# KiCad board srvant.kicad_pcb (continued)
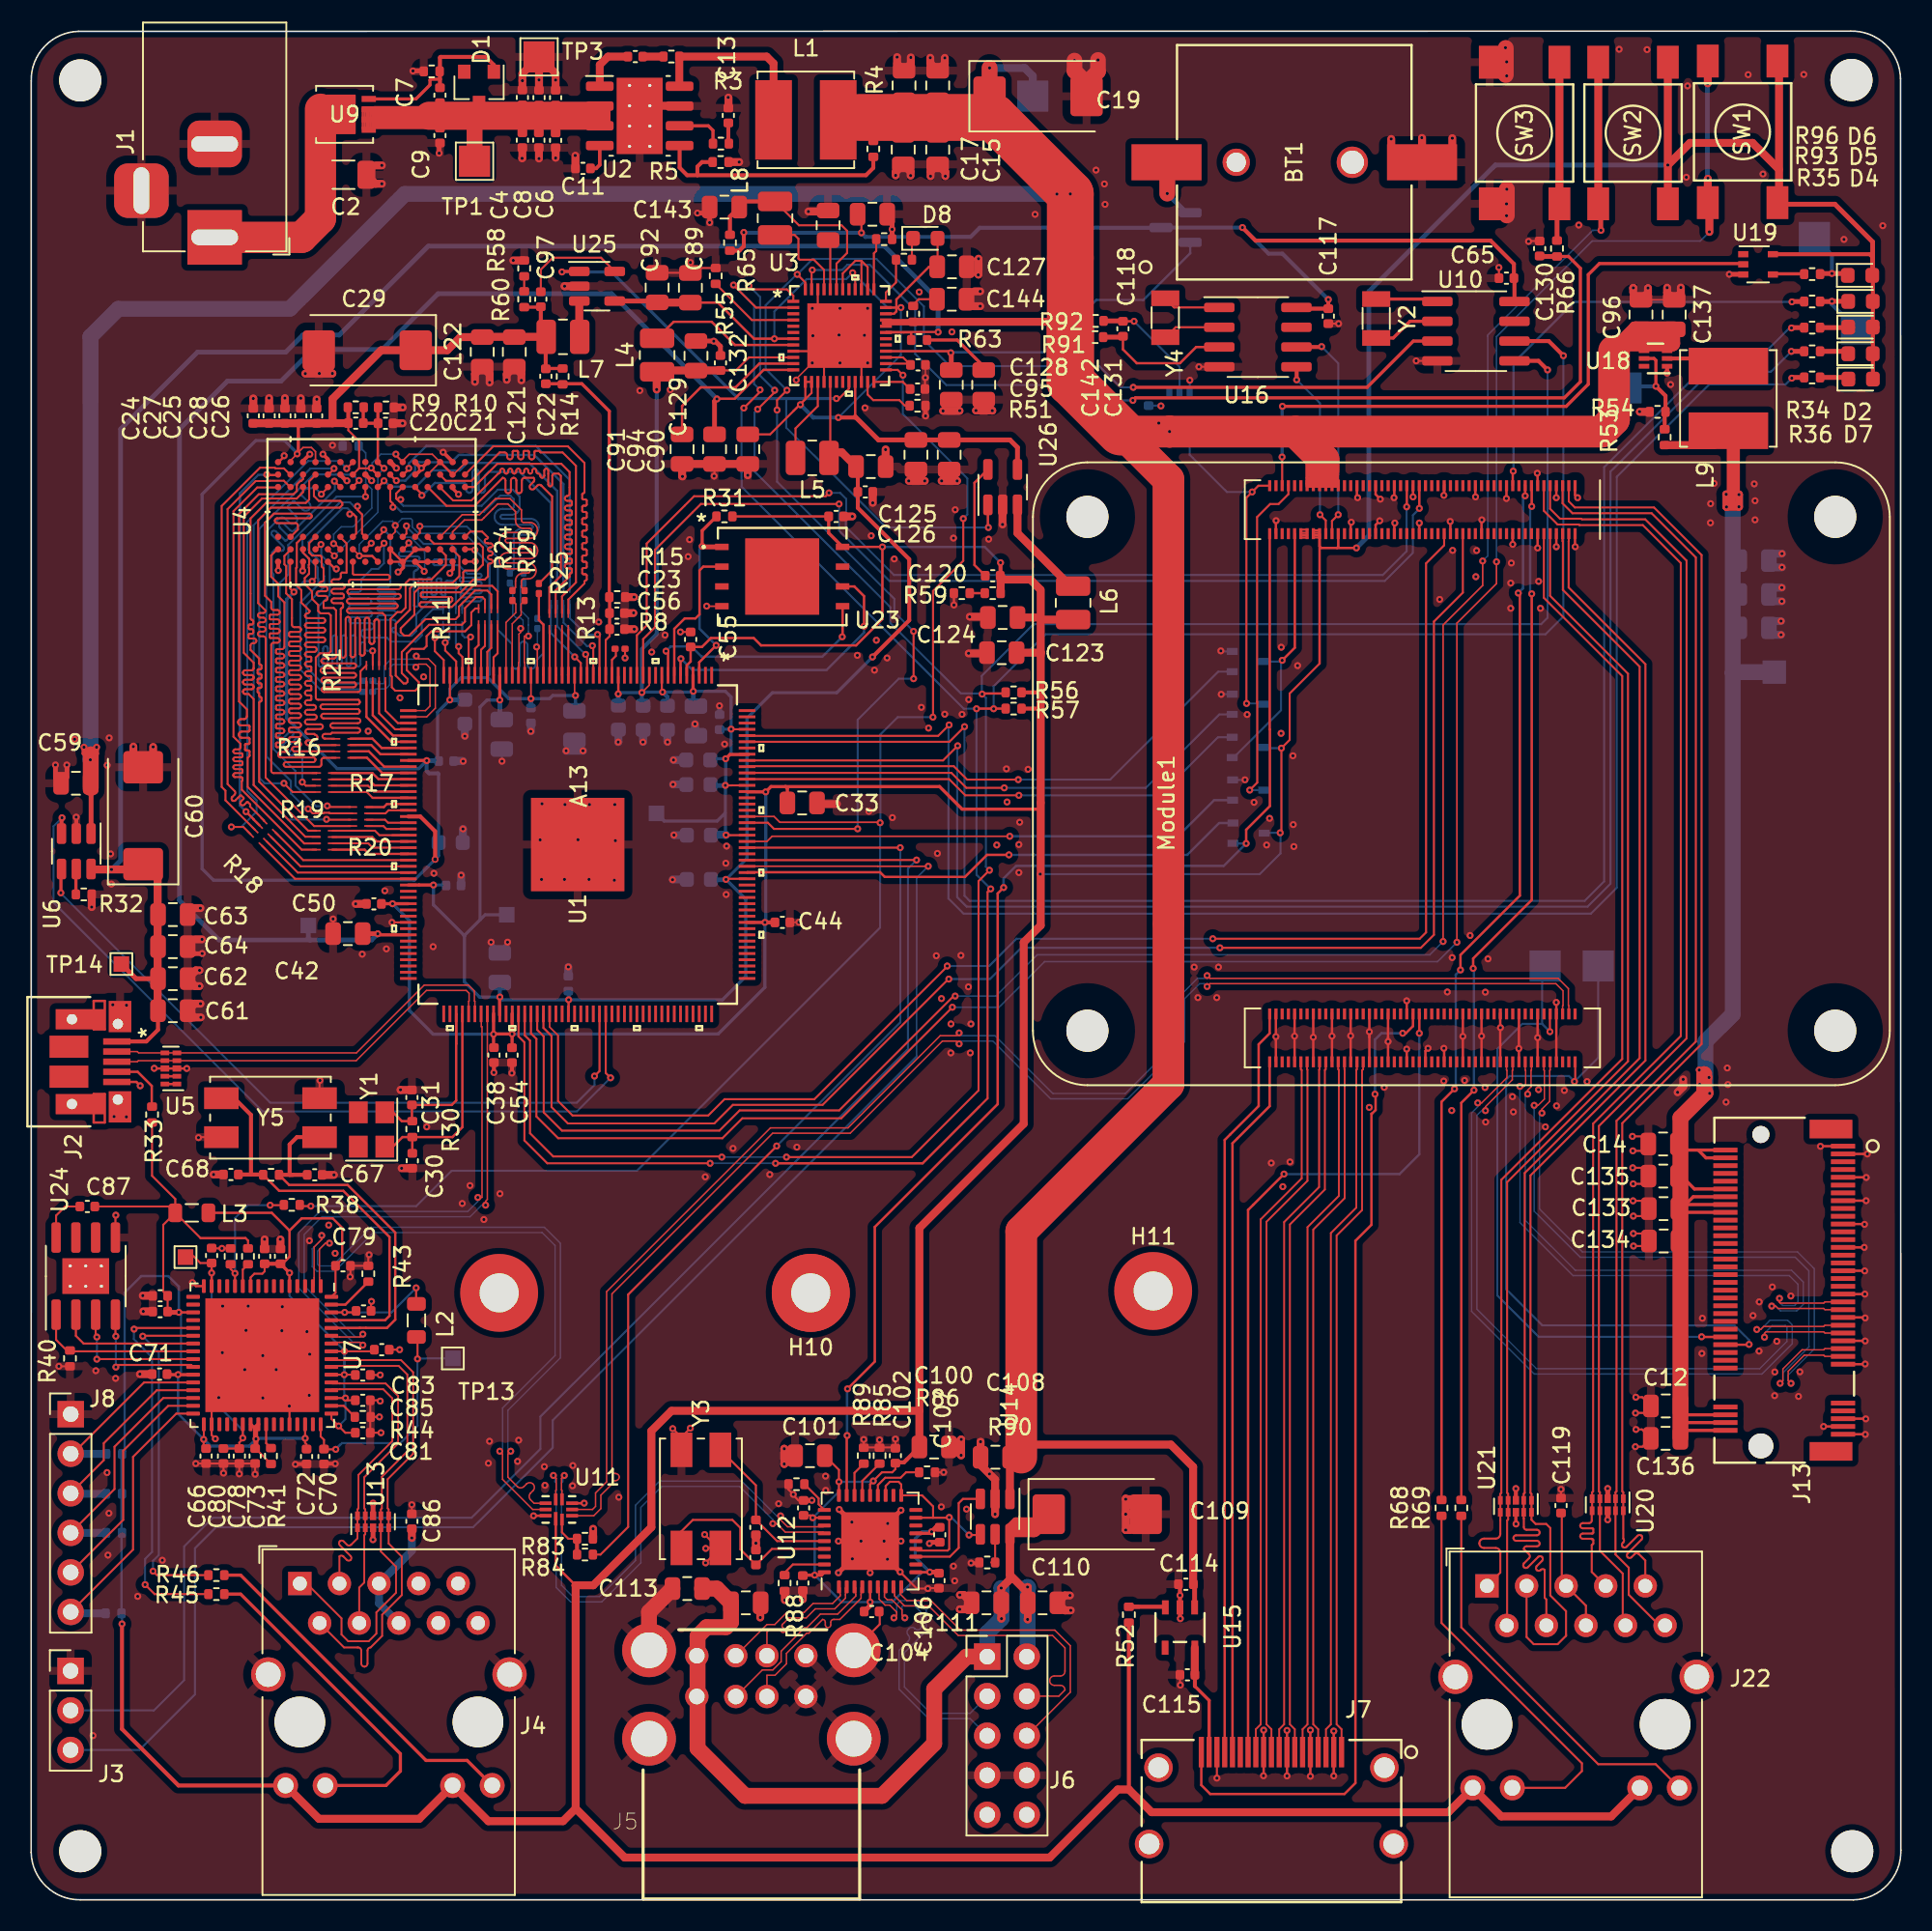
[diagram p0: board, top side]
## Routing (per net, layer and track width the routed paths; a pad name or vN(x,y) marks a point on that pad's centre or on a via; arc(x,y) is an arc through that point) (continued)
/a13 RAM/BA2: length 31
  Top w0.127: R19.6 19.17,69.77 19.13,69.81 18.79,69.81 18.75,69.77 18.07,69.77 v1(17.78,70.06) ; v1(18.63,90.27) 18.63,90.27 19.05,90.7
  Bottom w0.127: v1(18.63,90.27) 18.63,90.28 18.25,90.65 17.86,90.65 arc(17.81,90.63) 17.75,90.65 arc(17.7,90.67) 17.65,90.65 17.33,90.33 arc(17.31,90.28) 17.33,90.23 17.84,89.71 arc(17.93,89.5) 17.84,89.29 arc(17.63,89.2) 17.42,89.29 16.9,89.8 arc(16.85,89.82) 16.8,89.8 16.48,89.48 arc(16.46,89.43) 16.48,89.38 16.99,88.86 arc(17.08,88.65) 16.99,88.44 arc(16.78,88.35) 16.57,88.44 16.32,88.69 arc(16.11,88.78) 15.9,88.69 15.1,87.89 15.1,73.42 16.67,71.85 16.67,71.05 17.66,70.06 v1(17.78,70.06)
/a13 RAM/CASN: length 28.7
  Top w0.127: v1(16.23,71.7) 16.79,71.14 18.23,71.14 ; 20.65,90.7 20.65,90.75 v1(21.05,91.15) 21.06,91.14 21.06,91.11
  Bottom w0.127: 14.96,71.73 14.64,72.05 14.64,88.04 18.13,91.53 19.27,91.53 19.28,91.52 19.6,91.52 19.61,91.53 20.08,91.53 20.09,91.52 20.41,91.52 20.42,91.53 20.64,91.53 21.09,91.08
  Bottom w0.13: 14.96,71.73 14.99,71.7 v1(16.23,71.7)
/a13 RAM/CKE: length 33.1
  Top w0.127: 22.74,79.28 22.74,82.45 22.56,82.63 20.43,82.63 arc(20.32,82.68) 20.28,82.79 arc(20.32,82.9) 20.43,82.94 23.37,82.94 arc(23.48,82.99) 23.53,83.09 arc(23.48,83.2) 23.37,83.25 20.42,83.25 20.42,83.25 arc(20.31,83.29) 20.27,83.4 arc(20.31,83.51) 20.42,83.55 23.57,83.55 arc(23.68,83.6) 23.73,83.71 arc(23.68,83.82) 23.57,83.86 20.46,83.86 20.45,83.86 20.45,83.86 20.42,83.86 20.37,83.88 20.32,83.92 20.3,83.98 20.3,84.01 arc(20.34,84.12) 20.45,84.16 20.46,84.17 23.57,84.17 arc(23.68,84.21) 23.73,84.32 arc(23.68,84.43) 23.57,84.48 20.54,84.48 arc(20.43,84.52) 20.39,84.63 20.39,84.66 20.41,84.72 20.46,84.76 20.51,84.78 22.86,84.78 ; U4.K9 20.65,85.16 20.71,85.1 22.87,85.1 arc(22.98,85.05) 23.02,84.94 ; 23.02,84.93 arc(22.98,84.82) 22.87,84.78
/a13 RAM/CLK_N: length 18.7
  Top w0.13: v1(20.45,89) 20.68,89 20.86,88.81 20.86,87.74 U4.K7
  Bottom w0.13: v1(20.45,89) 20.45,89.22 20.31,89.36 19.97,89.36 17.8,87.19 17.8,86.69 18.78,85.71 18.78,85.02 18.81,84.99 18.81,84.35 18.78,84.32 18.78,84.28 17.66,83.16 17.66,79.16 18.7,78.12 21.12,78.12 R28.2
/a13 RAM/CLK_P: length 20.6
  Top w0.13: U4.J7 21.24,87.74 21.24,88.97 20.94,89.26 v1(20.94,89.49)
  Bottom w0.13: v1(20.94,89.49) 20.72,89.49 20.46,89.74 19.82,89.74 17.42,87.35 17.42,86.53 18.4,85.55 18.4,84.87 18.43,84.84 18.43,84.51 18.4,84.48 18.4,84.44 17.28,83.32 17.28,79 18.55,77.74 21.12,77.74 R27.2
/a13 RAM/D0: length 19.9
  Top w0.147: 24.65,90.7 25.08,90.27 v1(25.08,90.19)
  Bottom w0.147: 33.36,84.19 33.36,89.7 31.38,91.68 31.38,91.7 29.37,91.7 29.13,91.46 29.13,90.56 arc(29.07,90.42) 28.93,90.36 arc(28.79,90.42) 28.73,90.56 28.73,91.66 arc(28.67,91.81) 28.53,91.86 arc(28.39,91.81) 28.33,91.66 28.33,90.56 arc(28.27,90.42) 28.13,90.36 arc(27.99,90.42) 27.93,90.56 27.93,90.88 27.82,90.99 25.92,90.99 25.1,90.17
/a13 RAM/D1: length 21.4
  Top w0.127: 23.85,87.5 24.09,87.74 v1(24.09,88.23)
  Bottom w0.127: v1(24.09,88.23) 24.09,88.18 25.2,87.07 26.92,87.07 27.27,86.72 27.27,86.18 27.17,86.08 25.89,86.08 25.81,86 25.81,85.79 25.89,85.71 27.45,85.71 27.99,85.17 28.79,85.17 arc(28.88,85.13) 28.92,85.04 arc(28.88,84.95) 28.79,84.91 27.59,84.91 arc(27.54,84.89) 27.51,84.84 27.51,84.73 arc(27.54,84.68) 27.59,84.66 28.79,84.66 arc(28.88,84.62) 28.92,84.53 arc(28.88,84.44) 28.79,84.4 27.61,84.4 arc(27.58,84.39) 27.56,84.35 27.56,84.2 arc(27.58,84.16) 27.61,84.15 28.79,84.15 arc(28.88,84.11) 28.92,84.02 arc(28.88,83.93) 28.79,83.9 27.61,83.9 arc(27.58,83.88) 27.56,83.84 27.56,83.69 arc(27.58,83.66) 27.61,83.64 28.79,83.64 arc(28.88,83.6) 28.92,83.51 arc(28.88,83.43) 28.79,83.39 27.79,83.39 arc(27.7,83.35) 27.67,83.26 27.67,82.89
/a13 RAM/D2: length 19.6
  Top w0.147: 24.17,91.91 24.22,91.91 24.22,91.87 23.85,91.5
  Bottom w0.147: 34.57,84.19 34.57,91.18 32.39,93.37 25.37,93.37 24.24,92.24 v1(24.24,91.93)
/a13 RAM/D3: length 21.7
  Top w0.127: 24.21,87.12 24.21,87.06 23.85,86.7
  Bottom w0.127: 24.21,87.12 24.57,86.76 24.57,86.73 arc(24.52,86.62) 24.42,86.58 23.75,86.58 arc(23.64,86.53) 23.6,86.43 arc(23.64,86.32) 23.75,86.28 24.79,86.28 arc(24.89,86.23) 24.94,86.13 arc(24.89,86.02) 24.79,85.98 23.75,85.98 arc(23.64,85.93) 23.6,85.83 arc(23.64,85.72) 23.75,85.68 24.7,85.68 arc(24.8,85.64) 24.84,85.54 24.84,85.51 arc(24.8,85.42) 24.7,85.38 arc(24.61,85.34) 24.57,85.24 24.57,83.11 24.62,83.06 24.77,83.06 24.85,83.13 24.85,84.76 24.92,84.84 25.08,84.84 25.15,84.76 25.15,83.59 25.2,83.54 25.33,83.54 25.41,83.62 25.41,84.81 25.48,84.89 25.58,84.89 25.68,84.78 25.68,83.87 25.76,83.79 25.94,83.79 26.02,83.87 26.02,84.76 26.12,84.86 26.27,84.86 26.32,84.81 26.32,83.85 26.4,83.77 26.57,83.77 26.6,83.79 26.6,84.63 26.68,84.71 27.16,84.71 27.26,84.61 27.26,82.89
  vias: v1(24.24,87.14)
/a13 RAM/D4: length 19.5
  Top w0.147: 22.66,91.13 22.26,90.73 U4.H3
  Bottom w0.147: 22.69,91.11 23.04,90.75 24.7,90.75 25.73,91.79 27.5,91.79 27.99,92.28 31.96,92.28 33.76,90.48 33.76,84.19
  vias: v1(22.65,91.13)
/a13 RAM/D5: length 22.1
  Top w0.127: 22.25,86.7 22.62,87.07 22.62,87.16
  Bottom w0.127: 26.45,82.89 25.8,82.89 25.08,82.17 25.08,81.2 24.67,80.8 23.09,80.8 22.84,81.06 21.35,81.06 21.19,81.22 21.19,81.38 arc(21.25,81.52) 21.39,81.58 21.79,81.58 arc(21.93,81.64) 21.99,81.78 arc(21.93,81.92) 21.79,81.98 20.59,81.98 arc(20.45,82.04) 20.39,82.18 arc(20.45,82.32) 20.59,82.38 21.69,82.38 arc(21.83,82.44) 21.89,82.58 arc(21.83,82.72) 21.69,82.78 20.59,82.78 arc(20.45,82.84) 20.39,82.98 arc(20.45,83.12) 20.59,83.18 21.64,83.18 arc(21.78,83.24) 21.84,83.38 arc(21.78,83.52) 21.64,83.58 20.59,83.58 arc(20.45,83.64) 20.39,83.78 arc(20.45,83.92) 20.59,83.98 20.99,83.98 arc(21.13,84.04) 21.19,84.18 21.19,84.8 21.86,85.47 22.28,85.47 22.65,85.84 22.65,87.14
  vias: v1(22.65,87.12)
/a13 RAM/D6: length 19.6
  Top w0.147: 23.05,91.5 23.39,91.16 23.43,91.16
  Bottom w0.147: 23.45,91.13 24.02,91.13 24.64,91.76 24.64,92.1 24.88,92.33 26.99,92.33 27.45,92.79 32.29,92.79 34.17,90.91 34.17,84.19
  vias: v1(23.44,91.14)
/a13 RAM/D7: length 21.5
  Top w0.127: 22.25,87.5 22.63,87.88 v1(22.63,87.99)
  Bottom w0.127: 26.85,82.89 26.85,83.31 26.7,83.46 25.63,83.46 24.72,82.55 24.72,81.48 24.41,81.18 23.64,81.18 23.41,81.4 23.25,81.4 23.19,81.46 23.19,81.63 23.25,81.69 23.32,81.69 23.41,81.79 23.41,82.05 arc(23.37,82.15) 23.26,82.2 22.36,82.2 arc(22.26,82.24) 22.21,82.35 arc(22.26,82.45) 22.36,82.5 23.26,82.5 arc(23.37,82.54) 23.41,82.65 arc(23.37,82.75) 23.26,82.8 22.36,82.8 arc(22.26,82.84) 22.21,82.95 arc(22.26,83.05) 22.36,83.1 23.26,83.1 arc(23.37,83.14) 23.41,83.25 arc(23.37,83.35) 23.26,83.4 22.36,83.4 arc(22.26,83.44) 22.21,83.55 arc(22.26,83.65) 22.36,83.7 23.26,83.7 arc(23.37,83.74) 23.41,83.85 arc(23.37,83.95) 23.26,84 22.36,84 arc(22.26,84.04) 22.21,84.15 arc(22.26,84.25) 22.36,84.3 22.9,84.3 23.06,84.45 23.06,87.56 22.64,87.99
/a13 RAM/D8: length 21.8
  Top w0.127: 25.45,87.5 25.86,87.09 28.76,87.09 29,86.86 29,85.74 28.62,85.36 27.85,85.36 27.73,85.25 27.73,84.64 27.34,84.25 24.9,84.25 24.59,83.94 24.59,82.52 23.72,81.65 23.72,81.41 23.94,81.19 24.26,81.19 25.31,82.24 27.24,82.24 27.46,82.46 27.46,83.05 28.49,84.08 29.28,84.08 29.53,83.83 29.53,82.93
/a13 RAM/D9: length 22.5
  Top w0.127: R13.8 33.26,84.29 34,85.03 34,91.45 33.86,91.59 33.58,91.59 arc(33.49,91.55) 33.45,91.46 33.45,90.9 arc(33.41,90.81) 33.32,90.77 arc(33.23,90.81) 33.19,90.9 33.19,91.78 arc(33.15,91.87) 33.06,91.91 arc(32.97,91.87) 32.94,91.78 32.94,91.45 arc(32.9,91.36) 32.81,91.32 arc(32.72,91.36) 32.68,91.45 32.68,91.46 arc(32.64,91.55) 32.55,91.59 arc(32.46,91.63) 32.42,91.72 32.42,91.78 arc(32.38,91.87) 32.29,91.91 arc(32.2,91.87) 32.16,91.78 32.16,91.72 arc(32.13,91.63) 32.04,91.59 arc(31.94,91.63) 31.91,91.72 31.91,91.78 arc(31.87,91.87) 31.78,91.91 arc(31.69,91.87) 31.65,91.78 31.65,91.72 arc(31.61,91.63) 31.52,91.59 arc(31.43,91.63) 31.39,91.72 31.39,91.78 arc(31.36,91.87) 31.26,91.91 arc(31.17,91.87) 31.14,91.78 31.14,91.72 arc(31.1,91.63) 31.01,91.59 arc(30.92,91.63) 30.88,91.72 30.88,91.78 arc(30.84,91.87) 30.75,91.91 arc(30.66,91.87) 30.62,91.78 30.62,91.72 arc(30.58,91.63) 30.49,91.59 arc(30.4,91.63) 30.37,91.72 30.37,91.78 arc(30.33,91.87) 30.24,91.91 arc(30.15,91.87) 30.11,91.78 30.11,91.72 arc(30.07,91.63) 29.98,91.59 28.26,89.87 27.08,89.87 26.25,90.7
/a13 RAM/D10: length 22.5
  Top w0.127: 26.25,86.7 26.62,86.33 26.62,85.72 25.69,84.8 24.28,84.8 24.04,84.55 24.04,82.98 23.76,82.7 23.5,82.7 23.07,82.27 23.07,78.63 23.15,78.55 23.15,77.87 23.37,77.65 24.65,77.65 24.88,77.88 24.88,78.2 24.11,78.97 24.11,80.03 24.42,80.34 25.2,80.34 25.38,80.51 25.38,81.15 25.69,81.46 27.85,81.46 28.25,81.86 28.25,82.67 28.51,82.93 28.72,82.93
/a13 RAM/D11: length 22.4
  Top w0.127: 26.25,91.5 26.62,91.13 28.25,91.13 30.07,92.95 30.38,92.95 arc(30.5,92.9) 30.55,92.78 30.55,92.68 arc(30.61,92.55) 30.73,92.5 arc(30.85,92.55) 30.9,92.68 30.9,93 arc(30.92,93.04) 30.95,93.05 31.2,93.05 arc(31.24,93.04) 31.25,93 31.25,92.68 arc(31.31,92.55) 31.43,92.5 arc(31.55,92.55) 31.6,92.68 31.6,93 arc(31.62,93.04) 31.65,93.05 31.9,93.05 arc(31.94,93.04) 31.95,93 31.95,92.68 arc(32.01,92.55) 32.13,92.5 arc(32.25,92.55) 32.3,92.68 32.3,93 arc(32.32,93.04) 32.35,93.05 32.6,93.05 arc(32.64,93.04) 32.65,93 arc(32.67,92.96) 32.7,92.95 34.11,92.95 34.97,92.09 34.97,84.6 34.07,83.7 R13.6
/a13 RAM/D12: length 22.1
  Top w0.127: 29.94,82.93 29.94,84.03 29.59,84.39 28.37,84.39 27.01,83.03 25.03,83.03 24.92,83.13 24.92,83.23 25.03,83.33 26.93,83.33 27.03,83.43 27.03,83.59 26.96,83.66 25.08,83.66 25.01,83.73 25.01,83.9 25.08,83.97 27.57,83.97 28.38,84.78 29.11,84.78 29.32,84.99 29.32,85.69 arc(29.36,85.79) 29.45,85.82 29.49,85.82 arc(29.58,85.86) 29.62,85.95 arc(29.58,86.04) 29.49,86.08 29.45,86.08 arc(29.36,86.12) 29.32,86.21 arc(29.36,86.3) 29.45,86.34 29.49,86.34 arc(29.58,86.38) 29.62,86.47 arc(29.58,86.56) 29.49,86.59 29.45,86.59 arc(29.36,86.63) 29.32,86.72 arc(29.36,86.81) 29.45,86.85 29.49,86.85 arc(29.58,86.89) 29.62,86.98 arc(29.58,87.07) 29.49,87.11 29.32,87.11 29.32,87.13 29.22,87.13 arc(29.15,87.16) 29.12,87.23 29.12,87.29 arc(29.15,87.36) 29.22,87.39 arc(29.29,87.42) 29.32,87.49 28.94,87.87 28.19,87.87 U4.A7
/a13 RAM/D13: length 22.1
  Top w0.127: R13.5 34.48,83.5 35.52,84.54 35.52,84.65 arc(35.54,84.71) 35.59,84.73 arc(35.64,84.75) 35.66,84.8 35.66,85.05 arc(35.64,85.11) 35.59,85.13 35.52,85.13 35.52,85.13 35.44,85.13 arc(35.39,85.15) 35.37,85.2 35.37,85.46 arc(35.39,85.51) 35.44,85.53 35.59,85.53 arc(35.64,85.55) 35.66,85.6 35.66,85.86 arc(35.64,85.91) 35.59,85.93 35.44,85.93 arc(35.39,85.95) 35.37,86 35.37,86.26 arc(35.39,86.31) 35.44,86.33 35.59,86.33 arc(35.64,86.35) 35.66,86.4 35.66,86.66 arc(35.64,86.71) 35.59,86.73 35.44,86.73 arc(35.39,86.75) 35.37,86.8 35.37,87.06 arc(35.39,87.11) 35.44,87.13 35.59,87.13 arc(35.64,87.15) 35.66,87.2 35.66,87.46 arc(35.64,87.51) 35.59,87.53 35.44,87.53 arc(35.39,87.55) 35.37,87.6 35.37,87.86 arc(35.39,87.91) 35.44,87.93 35.59,87.93 arc(35.64,87.95) 35.66,88 35.66,88.26 arc(35.64,88.31) 35.59,88.33 35.44,88.33 arc(35.39,88.35) 35.37,88.4 35.37,88.66 arc(35.39,88.71) 35.44,88.73 35.59,88.73 arc(35.64,88.75) 35.66,88.8 35.66,89.06 arc(35.64,89.11) 35.59,89.13 35.44,89.13 arc(35.39,89.15) 35.37,89.2 35.37,89.46 arc(35.39,89.51) 35.44,89.53 35.59,89.53 arc(35.64,89.55) 35.66,89.6 35.66,89.86 arc(35.64,89.91) 35.59,89.93 35.44,89.93 arc(35.39,89.95) 35.37,90 35.37,90.26 arc(35.39,90.31) 35.44,90.33 arc(35.49,90.35) 35.52,90.4 35.52,92.27 34.45,93.34 29.66,93.34 U4.A2
/a13 RAM/D14: length 22.4
  Top w0.127: 27.05,86.7 27.48,86.26 27.48,85.01 27.04,84.57 27.04,84.57 24.67,84.57 24.31,84.22 24.31,82.85 23.4,81.94 23.4,78.62 23.9,78.12 24.05,78.12 24.16,78.22 24.16,78.41 23.79,78.78 23.79,80.13 25.54,81.88 27.64,81.88 27.85,82.09 27.85,82.95 28.56,83.66 28.96,83.66 29.13,83.5 29.13,82.93
/a13 RAM/D15: length 22.5
  Top w0.13: R13.7 33.67,84.09 34.56,84.98 34.56,85.12 arc(34.58,85.17) 34.63,85.19 arc(34.69,85.22) 34.71,85.27 34.71,85.43 arc(34.69,85.48) 34.63,85.5 34.56,85.5 34.41,85.51 arc(34.31,85.55) 34.26,85.65 34.26,85.67 arc(34.31,85.77) 34.41,85.82 34.63,85.82 arc(34.69,85.84) 34.71,85.89 34.71,86.05 arc(34.69,86.1) 34.63,86.13 34.41,86.13 arc(34.31,86.17) 34.26,86.27 34.26,86.29 arc(34.31,86.39) 34.41,86.44 34.63,86.44 arc(34.69,86.46) 34.71,86.51 34.71,86.67 arc(34.69,86.72) 34.63,86.75 34.41,86.75 arc(34.31,86.79) 34.26,86.89 34.26,86.91 arc(34.31,87.01) 34.41,87.06 34.63,87.06 arc(34.69,87.08) 34.71,87.13 34.71,87.29 arc(34.69,87.34) 34.63,87.37 34.41,87.37 arc(34.31,87.41) 34.26,87.51 34.26,87.53 arc(34.31,87.63) 34.41,87.68 34.63,87.68 arc(34.69,87.7) 34.71,87.75 34.71,87.91 arc(34.69,87.96) 34.63,87.99 34.41,87.99 arc(34.31,88.03) 34.26,88.13 34.26,88.15 arc(34.31,88.25) 34.41,88.3 34.63,88.3 arc(34.69,88.32) 34.71,88.37 34.71,88.53 arc(34.69,88.58) 34.63,88.61 34.41,88.61 arc(34.31,88.65) 34.26,88.75 34.26,88.77 arc(34.31,88.87) 34.41,88.92 34.63,88.92 arc(34.69,88.94) 34.71,88.99 34.71,89.15 arc(34.69,89.2) 34.63,89.23 34.41,89.23 arc(34.31,89.27) 34.26,89.37 34.26,89.39 arc(34.31,89.49) 34.41,89.54 34.63,89.54 arc(34.69,89.56) 34.71,89.61 34.71,89.77 arc(34.69,89.82) 34.63,89.85 34.41,89.85 arc(34.31,89.89) 34.26,89.99 34.26,90.01 arc(34.31,90.11) 34.41,90.16 arc(34.52,90.2) 34.56,90.3 34.56,91.69 34.03,92.22 29.92,92.22 28.43,90.73 U4.A3
/a13 RAM/DDR3_A0: length 2.7
  Top w0.127: 21.53,68.96 22.61,68.96 22.8,68.77 24.16,68.77
/a13 RAM/DDR3_A1: length 3.9
  Top w0.147: 20.49,74.16 21.83,74.16 22.42,73.57 24.16,73.57
/a13 RAM/DDR3_A2: length 6.1
  Top w0.13: U1.66 23.02,67.97
  Top w0.147: R20.3 21.89,68.25 22.18,67.97 24.16,67.97
/a13 RAM/DDR3_A3: length 6
  Top w0.127: R20.4 22.07,68.66 22.36,68.37 24.16,68.37
  Top w0.13: U1.65 23.17,68.37
/a13 RAM/DDR3_A4: length 3.9
  Top w0.147: 24.16,73.97 22.5,73.97 21.9,74.57 20.49,74.57
/a13 RAM/DDR3_A5: length 4.9
  Top w0.127: 24.16,67.57 21.92,67.57 21.64,67.85 R20.2
/a13 RAM/DDR3_A6: length 4.1
  Top w0.13: U1.54 24.21,72.77
  Top w0.147: 24.16,72.77 22.66,72.77 21.67,73.76 20.49,73.76
/a13 RAM/DDR3_A7: length 9.9
  Top w0.127: R18.2 17.11,65.97 24.16,65.97
  Top w0.13: 24.21,65.96 24.23,65.94
/a13 RAM/DDR3_A8: length 4.1
  Top w0.13: U1.55 24.2,72.36
  Top w0.147: 20.49,73.35 21.55,73.35 22.53,72.37 24.16,72.37
/a13 RAM/DDR3_A9: length 9.2
  Top w0.127: 24.16,66.77 17.46,66.77 R18.4
/a13 RAM/DDR3_A10: length 4.3
  Top w0.13: 24.16,75.17 23.36,75.17 22.33,76.2 22.33,78.24
/a13 RAM/DDR3_A11: length 5.1
  Top w0.147: 24.16,71.97 22.29,71.97 21.9,72.36 19.27,72.36
/a13 RAM/DDR3_A12: length 5.6
  Top w0.147: 21.52,78.24 21.52,75.97 23.12,74.37 24.16,74.37
/a13 RAM/DDR3_A13: length 5
  Top w0.13: U1.68 24.19,67.19
  Top w0.147: 24.16,67.17 21.68,67.17 21.41,67.44 R20.1
/a13 RAM/DDR3_A14: length 5.1
  Top w0.13: U1.57 24.2,71.58
  Top w0.147: 24.16,71.57 22.03,71.57 21.65,71.95 19.27,71.95
/a13 RAM/DDR3_BA0: length 2.7
  Top w0.127: 21.53,69.36 22.71,69.36 22.91,69.17 24.16,69.17
/a13 RAM/DDR3_BA1: length 4.9
  Top w0.147: 24.16,74.77 23.23,74.77 21.93,76.07 21.93,78.24
/a13 RAM/DDR3_BA2: length 2.7
  Top w0.127: 24.16,69.97 22.94,69.97 22.74,69.77 21.53,69.77
  Top w0.13: U1.61 24.2,69.96
/a13 RAM/DDR3_CAS: length 5.1
  Top w0.127: 19.27,71.14 21.55,71.14 21.92,70.77
  Top w0.13: U1.59 24.2,70.76
  Top w0.147: 24.16,70.77 21.92,70.77
/a13 RAM/DDR3_CK_N: length 10.4
  Top w0.09: 24.72,79.85 24.88,79.7 25.5,79.7 25.94,79.25 25.94,76.52 25.39,75.97 U1.46
  Bottom w0.09: 24.72,79.85 24.54,79.67 23.09,79.67 22.66,79.24 22.66,78.14 22.62,78.11 22.1,78.11 R28.1
  vias: v1(24.72,79.87)
/a13 RAM/DDR3_CK_P: length 9.2
  Top w0.09: 24.7,79.17 24.88,79.35 25.35,79.35 25.6,79.11 25.6,76.66 25.31,76.37 U1.45
  Bottom w0.09: R27.1 22.1,77.76 22.77,77.76 23,78 23,79.1 23.23,79.33 24.54,79.33 24.7,79.17
  vias: v1(24.7,79.16)
/a13 RAM/DDR3_CKE: length 3.6
  Top w0.127: 24.16,75.57 23.54,75.57 22.74,76.37 22.74,78.24
/a13 RAM/DDR3_D0: length 5.3
  Top w0.127: U1.22 35.28,79.43 v1(34.89,79.82)
  Bottom w0.127: v1(34.89,79.82) 33.36,81.35 33.36,83.15
/a13 RAM/DDR3_D1: length 3.7
  Top w0.127: v1(28.2,81.1) 28.08,80.98 28.08,78.69
  Bottom w0.127: 28.22,81.08 27.82,81.08 27.67,81.23 27.67,81.85
/a13 RAM/DDR3_D2: length 5.6
  Top w0.127: 36.43,81.18 36.48,81.13 U1.19
  Bottom w0.127: 34.57,83.15 34.57,82.3 35.63,81.25 36.34,81.25 v1(36.35,81.26)
/a13 RAM/DDR3_D3: length 3.4
  Top w0.127: v1(27.44,80.49) 27.44,80.06 27.68,79.81 27.68,78.69
  Bottom w0.127: 27.26,81.85 27.26,80.67 27.46,80.47
/a13 RAM/DDR3_D4: length 5.3
  Top w0.127: U1.21 35.68,79.89 v1(35.59,79.98)
  Bottom w0.127: 33.76,83.15 33.76,81.79 35.59,79.96 35.62,79.96
/a13 RAM/DDR3_D5: length 3.6
  Top w0.127: v1(25.91,81.05) 25.91,80.18 26.48,79.62 26.48,78.69
  Bottom w0.127: 25.94,81.03 26.45,81.53 26.45,81.85
/a13 RAM/DDR3_D6: length 5.6
  Top w0.127: v1(36.02,80.54) 36.08,80.48 U1.20
  Bottom w0.127: 34.17,83.15 34.17,82.02 35.67,80.52 36.05,80.52
/a13 RAM/DDR3_D7: length 3.6
  Top w0.127: 27.28,78.69 27.28,79.53 26.58,80.23 v1(26.58,80.74)
  Bottom w0.127: 26.6,80.72 26.85,80.97 26.85,81.85
/a13 RAM/DDR3_D8: length 3.3
  Top w0.127: 29.53,81.89 29.53,80.4 29.28,80.14 29.28,78.69
  Top w0.13: U1.37 29.29,78.65
/a13 RAM/DDR3_D9: length 2.8
  Top w0.127: U1.27 33.28,81.49
/a13 RAM/DDR3_D10: length 3.3
  Top w0.127: 28.72,81.89 28.72,80.58 28.49,80.34 28.49,78.7
  Top w0.13: U1.39 28.48,78.64
/a13 RAM/DDR3_D11: length 2.9
  Top w0.127: 34.07,81.52 34.07,78.65 U1.25
/a13 RAM/DDR3_D12: length 3.3
  Top w0.127: 29.68,78.69 29.68,79.79 29.94,80.05 29.94,81.89
  Top w0.13: U1.36 29.7,78.66
/a13 RAM/DDR3_D13: length 2.9
  Top w0.127: 34.48,81.58 34.48,78.69 34.45,78.66
/a13 RAM/DDR3_D14: length 3.3
  Top w0.127: 28.88,78.69 28.88,80.28 29.13,80.53 29.13,81.89
  Top w0.13: U1.38 28.89,78.65
/a13 RAM/DDR3_D15: length 2.9
  Top w0.127: R13.2 33.67,78.66 U1.26
/a13 RAM/DDR3_DQM0: length 3
  Top w0.1: v1(32.44,80.46) 32.49,80.42 32.49,78.65 U1.29
  Bottom w0.1: 32.49,81.59 32.49,80.47 32.47,80.44
/a13 RAM/DDR3_DQM1: length 5.4
  Top w0.147: 32.86,78.67 32.88,78.69 32.88,81.89 32.59,82.18 R25.1
/a13 RAM/DDR3_DSQ0_N: length 6.6
  Top w0.09: v1(31.42,81.65) 31.42,81.4 31.31,81.28 31.31,79.47 31.28,79.44 U1.32
  Bottom w0.09: R22.1 30.92,84.37 30.92,82.54 31.13,82.33 31.41,82.33 31.57,82.16 31.57,81.8 v1(31.42,81.65)
/a13 RAM/DDR3_DSQ0_P: length 6.5
  Top w0.09: U1.31 31.68,79.44 31.65,79.47 31.65,81.14 31.67,81.15 v1(31.92,81.15)
  Bottom w0.09: v1(31.92,81.15) 31.92,81.44 31.92,81.44 31.92,81.86 31.92,81.86 31.92,82.3 31.41,82.81 31.41,84.37 R23.1
/a13 RAM/DDR3_DSQ1_N: length 5.1
  Top w0.09: R24.1 31.11,83.22 31.11,82.66 30.48,82.03 U1.34
/a13 RAM/DDR3_DSQ1_P: length 5.1
  Top w0.09: U1.33 30.88,81.95 31.45,82.52 31.45,83.22 R29.1
/a13 RAM/DDR3_ODT: length 10.2
  Top w0.127: R18.1 16.94,65.57 24.16,65.57
/a13 RAM/DDR3_RAS: length 5.1
  Top w0.127: 19.27,71.55 21.62,71.55 22,71.17
  Top w0.13: U1.58 24.21,71.17
  Top w0.147: 22,71.17 24.16,71.17
/a13 RAM/DDR3_RST: length 9.6
  Top w0.127: R18.3 17.29,66.37 24.16,66.37
/a13 RAM/DDR3_WE: length 2.7
  Top w0.147: 21.53,70.18 22.64,70.18 22.83,70.37 24.16,70.37
/a13 RAM/DQM0: length 22.2
  Top w0.127: 24.65,87.5 24.95,87.8 v1(24.95,88.21)
  Bottom w0.127: R26.2 32.52,82.28 32.9,81.91 32.9,80.07 32.36,79.53 32.36,79.3 arc(32.29,79.13) 32.11,79.05 arc(31.94,79.13) 31.86,79.3 31.86,80.55 arc(31.79,80.73) 31.61,80.8 arc(31.44,80.73) 31.36,80.55 31.36,79.3 arc(31.29,79.13) 31.11,79.05 arc(30.94,79.13) 30.86,79.3 30.86,80.65 29.95,81.56 29.95,86.2 27.96,88.19 24.97,88.19
/a13 RAM/DQM1: length 20
  Top w0.13: U4.D3 26.66,89.52 28.47,89.52 30.27,91.32 arc(30.39,91.27) 30.44,91.15 30.44,90.5 arc(30.5,90.38) 30.62,90.33 arc(30.74,90.38) 30.79,90.5 30.79,91.15 arc(30.85,91.27) 30.97,91.32 arc(31.09,91.27) 31.14,91.15 31.14,90.5 arc(31.2,90.38) 31.32,90.33 arc(31.44,90.38) 31.49,90.5 31.49,91.15 arc(31.55,91.27) 31.67,91.32 32.25,91.32 arc(32.3,91.2) 32.25,91.07 32.04,90.87 arc(31.99,90.74) 32.04,90.62 arc(32.17,90.57) 32.29,90.62 32.5,90.83 arc(32.62,90.88) 32.74,90.83 33.44,90.13 33.44,85.38 R25.2
/a13 RAM/DQS0_N: length 18.7
  Top w0.13: U4.G3 23.05,89.83 23.22,89.66 v1(23.22,89.43)
  Bottom w0.13: v1(23.22,89.43) 23.45,89.43 23.74,89.14 29.07,89.14 30.11,90.18 30.75,90.18 30.97,89.96 30.97,89.46 arc(30.94,89.36) 30.84,89.33 30.26,89.33 arc(29.9,89.18) 29.75,88.82 arc(29.9,88.45) 30.26,88.31 32.07,88.31 arc(32.16,88.27) 32.2,88.18 arc(32.16,88.08) 32.07,88.05 31.48,88.05 arc(31.12,87.9) 30.97,87.54 30.97,85.45 R22.2
/a13 RAM/DQS0_P: length 18.9
  Top w0.13: U4.F3 23.43,90.31 23.43,89.99 23.49,89.93 v1(23.72,89.93)
  Bottom w0.13: v1(23.72,89.93) 23.72,89.7 23.9,89.52 28.91,89.52 29.95,90.56 30.91,90.56 31.35,90.11 31.35,89.46 arc(31.21,89.09) 30.84,88.95 30.26,88.95 arc(30.16,88.91) 30.13,88.82 arc(30.16,88.72) 30.26,88.69 32.07,88.69 arc(32.43,88.54) 32.58,88.18 arc(32.43,87.81) 32.07,87.67 31.48,87.67 arc(31.39,87.63) 31.35,87.54 31.35,85.45 R23.2
/a13 RAM/DQS1_N: length 18.9
  Top w0.102: U4.B7 27.05,87.85 27.81,88.61 28.92,88.61 29.95,89.64 30.6,89.64 31.09,89.15 31.09,88.59 arc(31.24,88.23) 31.6,88.08 31.99,88.08 arc(32.09,88.04) 32.13,87.94 arc(32.09,87.84) 31.99,87.81 30.57,87.81 arc(30.2,87.65) 30.05,87.29 arc(30.2,86.93) 30.57,86.78 31.99,86.78 arc(32.09,86.74) 32.13,86.64 arc(32.09,86.54) 31.99,86.51 30.57,86.51 arc(30.2,86.35) 30.05,85.99 arc(30.2,85.63) 30.57,85.48 31.89,85.48 arc(31.99,85.44) 32.03,85.34 arc(31.99,85.24) 31.89,85.21 31.6,85.21 arc(31.24,85.05) 31.09,84.69 31.09,84.28 R24.2
/a13 RAM/DQS1_P: length 20.3
  Top w0.102: U4.C7 27.67,88.95 28.78,88.95 29.81,89.98 30.74,89.98 31.47,89.25 31.47,88.59 arc(31.51,88.49) 31.6,88.46 31.99,88.46 arc(32.35,88.3) 32.51,87.94 arc(32.35,87.58) 31.99,87.43 30.57,87.43 arc(30.47,87.39) 30.43,87.29 arc(30.47,87.19) 30.57,87.16 31.99,87.16 arc(32.35,87) 32.51,86.64 arc(32.35,86.28) 31.99,86.13 30.57,86.13 arc(30.47,86.09) 30.43,85.99 arc(30.47,85.89) 30.57,85.86 31.89,85.86 arc(32.25,85.7) 32.41,85.34 arc(32.25,84.98) 31.89,84.83 31.6,84.83 arc(31.51,84.79) 31.47,84.69 31.47,84.28 R29.2
/a13 RAM/DZQ: length 1.8
  Top w0.13: R8.2 37.53,80.29 37.53,79.88 37.28,79.63 U1.17
/a13 RAM/ODT: length 31.1
  Top w0.127: 14.08,68.44 13.62,68.9 v1(12.85,68.9) ; v1(20.25,91.92) 20.63,92.3
  Bottom w0.127: v1(12.85,68.9) 13.48,68.9 14.47,69.89 14.47,70.6 13.87,71.2 13.87,88.49 17.78,92.4 19.77,92.4 20.27,91.9
/a13 RAM/RASN: length 28.6
  Top w0.127: 18.23,71.55 17.63,71.55 v1(17.4,71.78) ; v1(21.46,90.11) 21.45,90.12 21.45,90.7
  Bottom w0.127: v1(17.4,71.78) 17.4,73.57 17.23,73.74 arc(17.12,73.78) 17.02,73.74 16.81,73.53 arc(16.7,73.48) 16.59,73.53 arc(16.55,73.63) 16.59,73.74 17.23,74.38 arc(17.27,74.48) 17.23,74.59 arc(17.12,74.63) 17.02,74.59 16.38,73.95 arc(16.27,73.91) 16.17,73.95 arc(16.12,74.06) 16.17,74.16 16.81,74.8 arc(16.85,74.91) 16.81,75.01 arc(16.7,75.06) 16.59,75.01 16.1,74.52 arc(15.99,74.47) 15.89,74.52 arc(15.84,74.62) 15.89,74.73 15.96,74.8 arc(16,74.91) 15.96,75.01 15.96,84.57 16.5,85.11 16.5,87.01 19.6,90.11 v1(21.46,90.11)
/a13 RAM/RST: length 24.8
  Top w0.147: v1(15.12,91.53) 15.15,91.5 15.85,91.5 ; R18.6 14.27,69.39 14.27,69.4 v1(13.79,69.88)
  Bottom w0.147: v1(13.79,69.88) 13.4,70.27 13.4,90.33 14.58,91.51 15.14,91.51
/a13 RAM/WEN: length 30.6
  Top w0.127: 19.85,90.72 v1(19.46,91.11) ; v1(19.01,70.25) 19.07,70.18 20.48,70.18
  Bottom w0.127: 19.03,70.23 18.29,70.23 16.96,71.55 16.96,72.5 15.56,73.9 15.56,85.11 15.47,85.21 15.47,86.53 15.65,86.71 arc(15.77,86.76) 15.9,86.71 15.93,86.67 arc(16.05,86.62) 16.18,86.67 arc(16.23,86.8) 16.18,86.92 15.47,87.63 arc(15.42,87.75) 15.47,87.87 arc(15.59,87.93) 15.72,87.87 16.3,87.29 arc(16.34,87.28) 16.37,87.29 16.55,87.47 arc(16.56,87.5) 16.55,87.54 15.97,88.12 arc(15.91,88.25) 15.97,88.37 arc(16.09,88.42) 16.21,88.37 16.64,87.94 arc(16.76,87.89) 16.89,87.94 19.49,90.55 19.49,91.08
/a13 RAM/ZQ: length 8.6
  Top w0.1: 19.48,87.06 19.52,87.06 U4.L8
  Bottom w0.1: R6.1 21.47,92.92 21.47,90.98 21.87,90.58 21.87,89.38 20.66,88.17 19.89,88.17 19.41,87.69 v1(19.41,87.09)
/a13 usb/ethernet/EECLK: length 9.1
  Top w0.13: U24.2 2.87,36.22 3.36,35.73 U7.23
/a13 usb/ethernet/EECS: length 10.7
  Top w0.13: U24.1 1.6,35.97 2.34,35.23 U7.24
/a13 usb/ethernet/EEDI: length 8.4
  Top w0.13: v1(5.44,34.21) 5.57,34.35 10.27,34.35 U7.26 ; v1(5.44,36.2) 5.41,36.22 U24.4
  Bottom w0.13: v1(5.44,36.2) v1(5.44,34.21)
/a13 usb/ethernet/EEDO: length 9.1
  Top w0.13: v1(4.22,34.72) 4.22,34.73 U7.25 ; U24.3 4.14,36.22 v1(4.22,36.14)
  Bottom w0.13: v1(4.22,34.72) v1(4.22,36.14)
